# KiCad board video.kicad_pcb (continued)
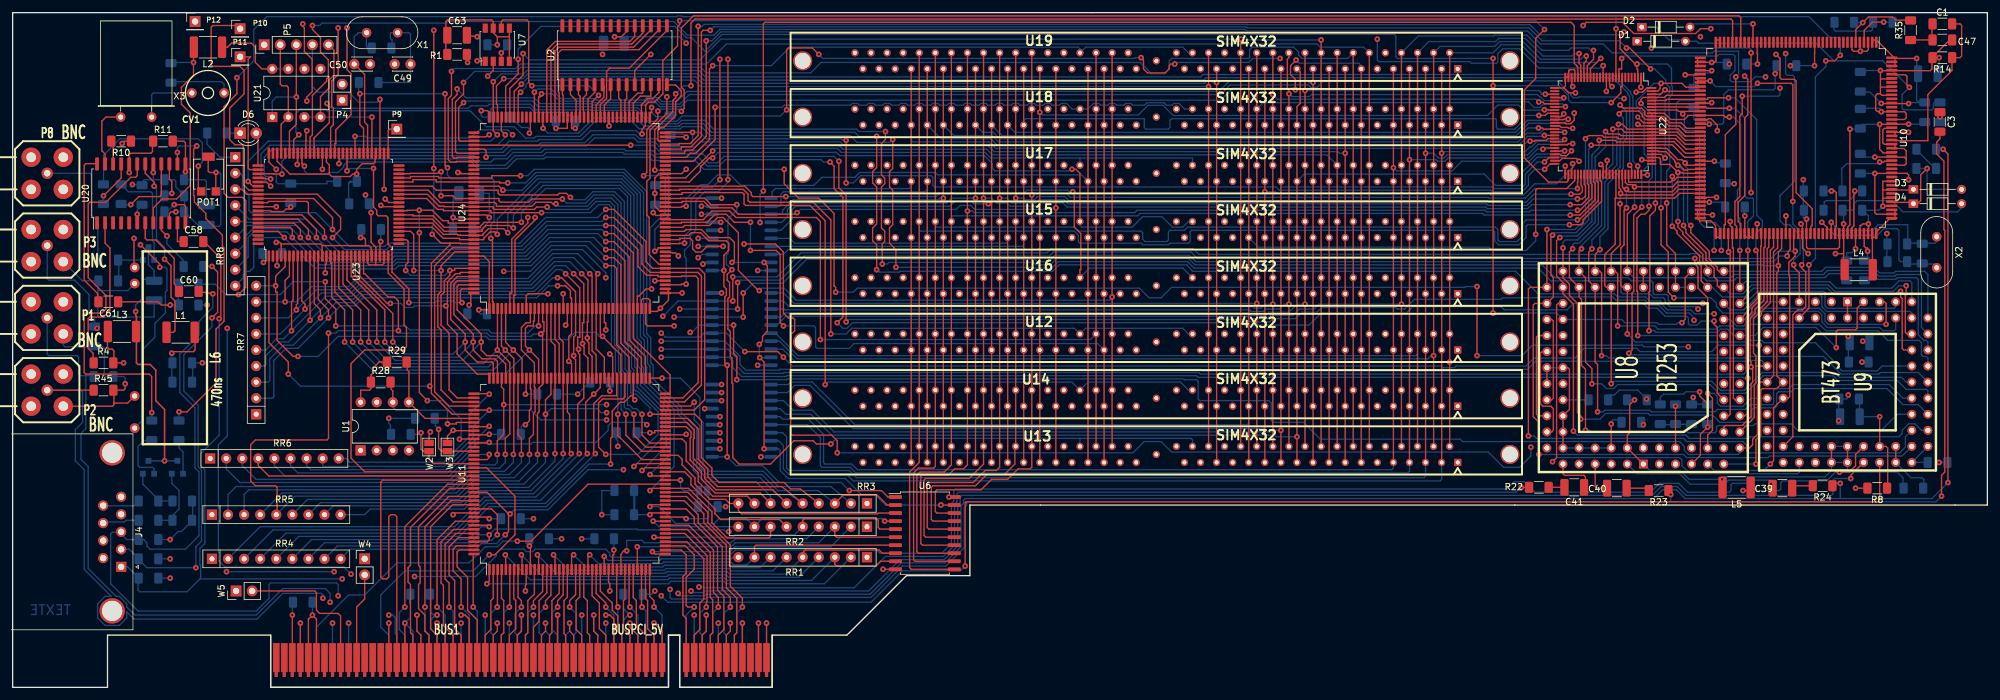
[diagram p0: board, top side]
## Routing (per net, layer and track width the routed paths; a pad name or vN(x,y) marks a point on that pad's centre or on a via; arc(x,y) is an arc through that point) (continued)
  top_copper w0.2: 248.34,81.03 248.34,79.5 248.54,79.3 248.54,77.72 248.03,77.22 v1(247.27,77.22) ; U19.54 U18.54 v1(155.96,77.34) U15.54 U16.54 U12.54 U14.54 U13.54 155.96,34.8 155.45,34.29 153.67,34.29 151.77,32.38 144.78,32.38 144.53,32.13 144.53,25.27 144.78,25.02 148.97,25.02
  bottom_copper w0.2: v1(155.96,77.34) 157.1,77.34 157.86,76.58 161.67,76.58 162.18,77.09 166.12,77.09 166.75,76.45 232.92,76.45 233.17,76.2 239.27,76.2 240.28,77.22 v1(247.27,77.22)
/TVRAM27: length 190.4
  top_copper w0.2: U19.56 U18.56 v1(153.42,77.34) U15.56 U16.56 U12.56 U14.56 U13.56 153.42,35.31 151.13,33.02 144.27,33.02 144.02,32.77 144.02,24 144.27,23.75 148.97,23.75 ; v1(246.13,76.33) 247.9,76.33 249.05,77.47 249.05,79.43 248.84,79.63 248.84,81.03
  bottom_copper w0.2: v1(246.13,76.33) 240.03,76.33 239.39,75.69 233.05,75.69 232.79,75.95 166.62,75.95 165.99,76.58 162.43,76.58 161.93,76.07 157.61,76.07 157.1,76.58 155.45,76.58 154.69,77.34 v1(153.42,77.34)
/TVRAM28: length 193.2
  top_copper w0.2: 148.97,22.48 143.76,22.48 143.51,22.73 143.51,33.4 143.64,33.53 147.83,33.53 148.84,34.54 150.24,34.54 150.88,35.18 U13.58 U14.58 U12.58 U16.58 U15.58 v1(150.88,75.31) U18.58 U19.58 ; 249.33,81.03 249.33,79.76 249.56,79.53 249.56,77.34 247.65,75.44 v1(247.27,75.44)
  bottom_copper w0.2: v1(150.88,75.31) 151.64,75.31 151.89,75.06 177.29,75.06 177.67,75.44 232.66,75.44 232.92,75.18 239.65,75.18 239.9,75.44 v1(247.27,75.44)
/TVRAM29: length 197.3
  top_copper w0.2: U19.60 U18.60 U15.60 U16.60 U12.60 U14.60 U13.60 148.34,35.18 147.19,34.04 143.38,34.04 142.88,33.53 142.88,21.46 143.13,21.21 148.97,21.21 ; 249.83,81.03 249.83,79.88 250.06,79.65 250.06,77.09 247.65,74.68 v1(246.13,74.68)
  bottom_copper w0.2: v1(246.13,74.68) 232.54,74.68 232.28,74.93 178.18,74.93 177.8,74.55 148.59,74.55 148.34,74.29 U15.60
/TVRAM30: length 208.4
  top_copper w0.2: U19.62 U18.62 U15.62 U16.62 U12.62 U14.62 U13.62 145.8,34.92 145.54,34.67 143.13,34.67 142.37,33.91 142.37,20.19 142.62,19.94 148.97,19.94 ; 250.34,81.03 250.34,80.01 250.57,79.78 250.57,76.96 247.52,73.91 v1(247.27,73.91)
  bottom_copper w0.2: U15.62 145.8,73.02 146.05,72.77 167.77,72.77 168.4,72.14 178.31,72.14 178.56,71.88 178.56,70.87 178.94,70.48 182.37,70.48 182.63,70.74 182.63,72.01 182.88,72.26 185.17,72.26 185.67,72.77 234.31,72.77 234.7,72.39 234.7,70.74 234.95,70.48 237.74,70.48 238.63,71.37 238.63,73.41 239.14,73.91 v1(247.27,73.91)
/TVRAM31: length 212.1
  top_copper w0.2: 148.97,18.67 141.99,18.67 141.73,18.92 141.73,34.04 143.26,35.56 U13.64 U14.64 U12.64 U16.64 U15.64 U18.64 U19.64 ; 250.85,81.03 250.85,80.14 251.08,79.91 251.08,76.83 248.16,73.91 248.16,73.41 247.9,73.15 v1(246,73.15)
  bottom_copper w0.2: v1(246,73.15) 239.39,73.15 239.14,72.9 239.14,71.12 238,69.98 234.82,69.98 234.19,70.61 234.19,72.01 233.93,72.26 186.31,72.26 186.06,72.01 186.06,70.48 185.8,70.23 182.88,70.23 182.63,69.98 178.56,69.98 178.31,70.23 168.66,70.23 168.4,70.48 168.4,71.5 167.77,72.14 143.51,72.14 143.26,72.39 U15.64
/VD_PAL-: length 227.8
  top_copper w0.2: v1(101.95,91.1) 101.95,89.92 100.2,88.18 100.2,81.41 v1(99.69,80.9) ; 273.08,102.36 273.08,105.89 272.8,106.17 107.57,106.17 105.66,104.27 105.66,94.89 106.11,94.45 106.11,91.52 v1(105.66,91.07) ; v1(100.97,62.99) 100.08,62.99 98.93,61.85 98.7,61.85 98.7,59.44
  bottom_copper w0.2: v1(101.95,91.1) 102.26,91.42 105.32,91.42 v1(105.66,91.07) ; v1(100.97,62.99) 100.71,63.25 100.71,72.64 103.12,75.06 103.12,80.39 102.62,80.9 v1(99.69,80.9)
/WRAM-: length 125.5
  top_copper w0.2: 164.85,35.56 U14.47 U16.47 U15.47 v1(164.85,75.82) U17.47 U18.47 U19.47 ; 103.58,76.66 105.79,76.66 105.79,76.83 109.22,76.83 110.24,75.82 113.66,75.82 114.68,74.8 123.7,74.8 v1(123.95,75.06)
  bottom_copper w0.2: v1(123.95,75.06) 124.46,75.56 149.1,75.56 149.73,76.2 151.38,76.2 152.02,75.56 163.83,75.56 164.08,75.82 v1(164.85,75.82)
/WRCAD-: length 270.8
  top_copper w0.2: v1(137.41,66.93) 137.41,70.1 137.8,70.48 137.8,72.14 137.29,72.64 137.29,79.12 137.8,79.63 137.8,80.52 137.29,81.03 137.29,85.98 137.92,86.61 v1(137.92,87.88) ; 47.65,84.33 47.65,85.47 47.62,85.47 47.62,86.87 50.04,89.28 50.04,91.68 49.67,92.05 v1(49.67,92.33)
  VCC_layer w0.2: U8.24 271.91,52.07 268.73,52.07 267.33,53.47 267.33,60.45 v1(267.08,60.71)
  bottom_copper w0.2: v1(137.92,87.88) 133.73,87.88 133.35,88.26 110.74,88.26 109.35,89.66 105.69,89.66 105.13,89.1 104.74,89.1 102.7,89.1 102.7,89.1 100.74,89.1 98.59,91.24 91.37,91.24 91.3,91.31 82.68,91.31 81.79,92.2 75.31,92.2 75.06,91.95 72.39,91.95 72.01,91.57 50.44,91.57 v1(49.67,92.33) ; v1(137.41,66.93) 138.18,66.93 138.43,67.18 161.29,67.18 161.67,66.8 163.96,66.8 164.97,67.82 185.8,67.82 186.82,66.8 241.68,66.8 243.71,64.77 255.27,64.77 255.78,64.26 258.95,64.26 259.21,64.01 259.21,62.36 259.46,62.1 261.37,62.1 261.62,61.85 261.62,61.21 262.13,60.71 v1(267.08,60.71)
/WRCDA-: length 280.3
  top_copper w0.2: v1(130.56,83.18) 130.56,78.99 131.7,77.85 v1(131.7,57.78) ; v1(44.96,82.68) 44.96,82.93 45.03,82.93 45.03,84.33
  VCC_layer w0.2: v1(265.68,58.04) 265.68,57.28 265.94,57.02 265.94,52.58 267.72,50.8 268.61,50.8 268.86,50.55 268.86,48.01 269.88,46.99 274.19,46.99 276.48,44.7 278.26,44.7 U9.23
  bottom_copper w0.2: v1(131.7,57.78) 132.08,58.17 194.69,58.17 195.07,57.78 198.63,57.78 199.14,58.29 202.69,58.29 203.71,59.31 206.12,59.31 206.88,60.07 218.57,60.07 218.82,59.82 219.96,59.82 221.49,61.34 235.2,61.34 235.46,61.59 241.05,61.59 241.17,61.72 252.86,61.72 253.37,61.21 257.94,61.21 258.7,60.45 260.1,60.45 261.37,59.18 264.92,59.18 265.68,58.42 v1(265.68,58.04) ; v1(44.96,82.68) 44.96,83.82 45.21,84.07 72.9,84.07 73.91,83.06 75.56,83.06 76.07,83.57 78.11,83.57 79.12,84.58 83.57,84.58 84.07,85.09 96.65,85.09 96.9,84.84 101.22,84.84 101.73,84.33 109.09,84.33 109.73,83.69 109.73,83.18 109.98,82.93 111.38,82.93 112.4,83.95 129.79,83.95 v1(130.56,83.18)
/WRFIFDO-: length 64.9
  top_copper w0.2: 86.36,59.44 86.36,55.24 87,54.61 v1(87,36.96)
  bottom_copper w0.2: RR5.8 50.67,28.7 71.12,28.7 73.53,31.11 81.91,31.11 87,36.19 v1(87,36.96)
/WRFULL: length 10.4
  top_copper w0.2: 86.36,49.35 86.36,54.36 85.7,55.02 85.7,59.44
/WRITE_RAM: length 81.1
  top_copper w0.2: v1(132.21,31.11) 137.29,31.11 138.3,30.1 139.32,30.1 ; 103.58,71.45 106.81,71.45 107.24,71.88 108.71,71.88 109.98,70.61 112.78,70.61 113.16,70.23 113.16,69.09 112.4,68.33 v1(112.4,65.91) 112.4,63.37 112.78,62.99 112.78,61.98 112.52,61.72 112.52,51.31 v1(112.9,50.93) v1(112.9,36.45)
  bottom_copper w0.2: 110.36,36.45 v1(112.9,36.45) 114.3,35.05 118.49,35.05 121.16,32.38 130.94,32.38 v1(132.21,31.11) ; v1(112.9,50.93) 110.36,50.93 ; v1(112.4,65.91) 110.36,65.91
/X_CLK: length 250.6
  top_copper w0.2: 38.86,79.25 37.95,79.25 v1(37.21,79.99) ; v1(76.58,87.38) 75.95,88.01 v1(75.95,95.76) ; v1(256.79,82.41) 256.83,82.37 U22.74
  bottom_copper w0.2: v1(75.95,95.76) 77.18,96.99 80.73,96.99 81.28,97.54 108.46,97.54 109.47,96.52 187.71,96.52 188.09,96.9 252.9,96.9 255.67,94.13 255.67,93.88 256.03,93.51 256.03,83.17 v1(256.79,82.41) ; v1(37.21,79.99) 37.21,83.18 40.39,86.36 75.56,86.36 v1(76.58,87.38)
/X_DATA: length 198.9
  top_copper w0.2: 76.61,90.63 76.61,92.1 76.45,92.25 76.45,95.1 v1(77.6,96.25) ; 255.83,81.03 255.83,82.25 v1(255.52,82.55)
  bottom_copper w0.2: v1(255.52,82.55) 255.52,93.46 255.27,93.71 255.27,93.96 252.84,96.39 188.59,96.39 188.21,96.01 109.22,96.01 108.2,97.03 81.41,97.03 80.62,96.25 v1(77.6,96.25)
/X_DONE: length 226.8
  top_copper w0.2: 243.59,82.78 242.95,82.78 v1(242.09,81.91) ; 38.86,81.2 41.15,81.2 41.27,81.15 v1(42.54,81.15) ; v1(131.7,86.49) v1(131.7,79.76) ; v1(107.44,87.76) 103.63,87.76 103.58,87.71
  bottom_copper w0.2: v1(42.54,81.15) 42.54,83.18 43.94,84.58 77.47,84.58 78.49,85.6 82.93,85.6 83.44,86.11 90.42,86.11 91.69,87.38 98.43,87.38 99.06,86.74 101.73,86.74 102.49,85.98 107.19,85.98 107.44,86.23 v1(107.44,87.76) 108.59,87.76 109.6,86.74 130.94,86.74 131.19,86.49 v1(131.7,86.49) ; v1(131.7,79.76) 132.84,79.76 133.99,80.9 145.16,80.9 145.41,80.64 145.41,79.38 145.67,79.12 199.64,79.12 200.15,78.61 233.55,78.61 233.81,78.36 238.51,78.36 239.52,79.38 239.52,80.9 240.54,81.91 v1(242.09,81.91)
/X_IRQ: length 72.1
  top_copper w0.2: v1(81.66,36.83) 81.66,39.37 82.3,40 82.3,43.31 82.55,43.56 82.55,47.37 82.45,47.47 82.45,51.28 80.39,53.34 80.39,56.9 81.15,57.66 81.81,57.66 81.81,59.44
  bottom_copper w0.2: RR5.4 42.54,30.73 70.1,30.73 72.52,33.15 79.25,33.15 81.66,35.56 v1(81.66,36.83)
/X_PROG-: length 257.1
  top_copper w0.2: 38.86,80.54 39.37,80.52 39.88,80.52 40.01,80.39 v1(40.77,80.39) ; v1(99.44,87.5) 99.44,88.23 99.97,88.76 99.97,90.08 100.04,90.15 100.04,91.99 99.97,92.06 100.45,92.54 101.44,92.54 102.74,93.84 102.74,99.1 105.07,101.43 105.07,104.45 105.4,104.78 v1(105.4,105.4) ; 245.85,81.03 245.87,81.03 245.87,80.39 245.78,80.3 245.78,80.08 245.58,79.88 242.7,79.88 238.89,83.69 238.89,94.49 240.67,96.27 240.67,102.62 v1(242.06,104.01)
  bottom_copper w0.2: v1(105.4,105.4) 240.67,105.4 v1(242.06,104.01) ; v1(99.44,87.5) 99.06,87.5 98.55,88.01 91.31,88.01 89.92,86.61 83.19,86.61 82.93,86.36 78.49,86.36 77.22,85.09 41.02,85.09 39.75,83.82 39.75,81.03 40.01,80.77 40.39,80.77 v1(40.77,80.39)
/Y_OUT: length 5.9
  bottom_copper w0.2: 19.94,29.46 19.18,28.7 14.35,28.7
Net-(BUS1-PRSNT1#): length 26.5
  top_copper w0.2: BUS1.B9 BUS1.B9 51.82,11.3 51.43,11.68 48.51,11.68 48.01,12.19 48.01,14.99 47.75,15.24 W5.2
Net-(BUS1-PRSNT2#): length 16.3
  top_copper w0.2: W4.2 55.63,13.97 54.36,12.7 BUS1.B11 BUS1.B11
Net-(BUS1-TDI): length 16.3
  top_copper w0.2: BUS1.A4 BUS1.A4 v1(45.47,10.16)
  bottom_copper w0.2: v1(45.47,10.16) BUS1.A4 BUS1.A4
Net-(C1-Pad1): length 6
  top_copper w0.2: 303.28,102.36 303.28,104.9 ; 303.33,102.36 299.96,102.36 299.91,102.31
Net-(C3-Pad1): length 1.8
  top_copper w0.2: v1(304.55,90.17) 304.55,91.06
  bottom_copper w0.2: 304.55,89.28 v1(304.55,90.17)
Net-(C4-Pad1): length 4.6
  bottom_copper w0.2: 304.04,82.04 303.78,82.04 300.74,85.09
Net-(C5-Pad2): length 2.8
  bottom_copper w0.2: 289.81,64.26 292.61,64.26
Net-(C8-Pad2): length 8.6
  bottom_copper w0.2: 287.78,105.16 287.78,104.01 288.04,103.76 293.62,103.76 293.88,104.01 293.88,105.16
Net-(C36-Pad2): length 5
  bottom_copper w0.2: 262.76,41.59 265.31,41.59 ; 260.35,41.53 262.76,41.53
Net-(C39-Pad2): length 3.3
  top_copper w0.2: 284.35,31.88 281.43,31.88 281.43,31.5
Net-(C40-Pad2): length 3.6
  top_copper w0.2: 258.44,31.11 258.44,31.5 255.27,31.5
Net-(C41-Pad2): length 2.2
  top_copper w0.2: 242.82,31.62 244.98,31.62
Net-(C46-Pad1): length 11.3
  top_copper w0.2: 28.83,56.13 28.83,53.34 28.57,53.09 25.4,53.09 v1(25.15,52.83)
  bottom_copper w0.2: 25.15,48.26 v1(25.15,52.83)
Net-(C49-Pad1): length 18.3
  bottom_copper w0.2: 59.94,101.09 59.94,102.36 59.69,102.62 59.69,103.42 59.77,103.5 X1.1 62.61,103.5 62.87,103.25 C49.1 62.87,95.63 57.91,95.63
Net-(C61-Pad1): length 13
  top_copper w0.2: 16.76,60.96 22.99,60.96 23.49,60.45 v1(24.89,60.45)
  bottom_copper w0.2: 26.16,63.75 26.16,60.51 26.22,60.45 v1(24.89,60.45)
Net-(CV1-Pad1): length 10
  bottom_copper w0.2: 28.32,93.98 22.23,93.98 21.97,93.73 X3.1
Net-(D6-A): length 2.1
  bottom_copper w0.2: 33.89,87.65 33.92,87.63 D6.1
Net-(L6-Pad1): length 22
  top_copper w0.2: R10.1 17.67,86.36 v1(17.31,85.99) ; v1(19.18,70.99) 19.18,66.49 L6.1
  VCC_layer w0.2: v1(17.31,85.99) 17.31,85.49 17.65,85.15 17.65,74.8 19.18,73.28 v1(19.18,70.99)
Net-(P4-P1): length 35.6
  top_copper w0.2: 56.08,68.33 56.08,67.06 56.34,66.8 57.38,66.8 ; 57.38,66.8 58.42,66.8 58.67,67.06 58.67,67.82 58.7,68.33 ; 57.38,66.8 57.38,68.33 57.4,68.71 57.4,69.6 56.64,70.36 v1(56.64,75.06)
  VCC_layer w0.2: v1(55.75,77.85) 55.75,92.58 55.5,92.84 P4.1
  bottom_copper w0.2: v1(55.75,77.85) 55.75,77.09 56.64,76.2 v1(56.64,75.06)
Net-(POT1-Pad1): length 29.6
  top_copper w0.2: POT1.1 29.8,78.58 29.34,79.04 v1(29.34,82.42)
  bottom_copper w0.2: v1(29.34,82.42) 29.97,83.06 29.97,86.11 29.34,86.74 16.95,86.74 14.35,84.14 14.35,79.63
Net-(Q1-B): length 5.5
  bottom_copper w0.2: 26.29,38.99 26.29,37.85 26.92,37.21 26.92,33.78
Net-(Q1-E): length 10.4
  bottom_copper w0.2: 23.11,26.42 25.27,26.42 25.27,27.18 26.29,28.19 26.29,31.11 25.15,32.26 25.15,33.78
Net-(Q2-B): length 9.1
  bottom_copper w0.2: 21.97,38.99 20.7,38.99 19.81,38.1 19.81,35.05 20.07,34.8 22.1,34.8 22.35,34.54 22.35,33.78
Net-(Q2-E): length 7.5
  bottom_copper w0.2: 20.57,33.78 20.57,32.13 23.24,29.46 ; 23.11,29.46 25.15,29.46
Net-(Q3-B): length 16.2
  bottom_copper w0.2: Q3.2 22.35,70.36 22.1,70.61 22.1,78.1 21.84,78.36 18.29,78.36 17.15,79.5
Net-(Q3-E): length 7.1
  bottom_copper w0.2: Q3.1 16.76,67.56 16.76,64.26
Net-(U1-SCL): length 18.9
  top_copper w0.2: 59.82,48.26 59.82,47.12 60.07,46.86 U1.6 ; v1(68.71,41.66) 70.1,41.66 70.1,41.88 72.39,41.88
  bottom_copper w0.2: v1(68.71,41.66) 68.71,43.69 68.58,43.81 60.58,43.81 60.07,44.32 U1.6
Net-(U1-SDA): length 17.3
  top_copper w0.2: 72.39,42.52 65.18,42.52 U1.5 62.61,49.91 62.36,50.16 62.36,51.43
Net-(U8-BIN): length 14.4
  top_copper w0.2: U8.68 243.2,45.47 243.46,45.72 243.46,57.91 243.2,58.17 U8.58
Net-(U8-BVID0): length 6.9
  top_copper w0.2: U8.75 244.98,33.78 245.24,33.53 248.29,33.53 248.54,33.27 248.54,31.62
Net-(U8-CEXT1): length 7
  top_copper w0.2: U8.6 v1(262.76,44.45)
  bottom_copper w0.2: 262.76,44.83 v1(262.76,44.45)
Net-(U8-CEXT2): length 21
  top_copper w0.2: U8.7 266.7,36.7 266.7,40 v1(267.84,41.15) 267.84,44.83 266.57,46.1 v1(266.57,46.74)
  bottom_copper w0.2: v1(266.57,46.74) 264.41,46.74 264.03,46.35 260.86,46.35 260.35,45.85 260.35,44.83 ; v1(267.84,41.15) 267.84,41.53
Net-(U8-GIN): length 15.7
  top_copper w0.2: U8.60 241.05,55.63 240.79,55.37 240.79,43.18 241.05,42.93 U8.70
Net-(U8-GVID0): length 5.3
  top_copper w0.2: U8.79 250.06,31.75 250.32,31.5 251.71,31.5
Net-(U8-RIN): length 16
  top_copper w0.2: U8.62 241.68,53.09 241.43,52.83 241.43,44.83 241.81,44.45 243.08,44.45 243.46,44.07 243.46,40.64 243.2,40.39 U8.72
Net-(U8-RSET): length 3.9
  bottom_copper w0.2: U8.69 248.92,45.47
Net-(U8-RVID0): length 25.4
  top_copper w0.2: v1(277.88,32.13) 277.88,31.5
  bottom_copper w0.2: U8.83 256.67,33.78 263.4,33.78 265.05,32.13 270.51,32.13 271.14,32.77 277.62,32.77 277.88,32.51 v1(277.88,32.13)
Net-(U9-COMP): length 9.5
  top_copper w0.2: U9.41 U9.42
  bottom_copper w0.2: 302.01,31.5 302.01,32.89 301.75,33.15 299.97,33.15 U9.41
Net-(U9-IREF): length 18.4
  top_copper w0.2: v1(295.02,42.8) U9.40 296.04,38.1 296.29,37.85 296.29,31.5
  bottom_copper w0.2: 291.85,45.59 291.85,42.8 v1(295.02,42.8)
Net-(U9-VREF): length 6
  bottom_copper w0.2: 302.51,35.56 U9.43 U9.44
Net-(U10-CLEVEL): length 16.1
  top_copper w0.2: 290.63,71.17 290.63,72.64 290.96,72.97 290.96,78.49 v1(291.08,78.49)
  bottom_copper w0.2: 292.35,78.49 v1(291.08,78.49) 291.08,77.85 290.19,76.96 286.51,76.96 286.26,76.71 286.26,75.44
Net-(U10-CREF+): length 36.4
  top_copper w0.2: 289.97,71.17 289.97,72.77 290.32,73.13 v1(290.32,88.26) ; v1(299.59,89.05) 297.43,89.05 297.18,89.03 v1(295.02,89.03) 295.02,85.09 295.53,84.58 295.53,84.51 297.43,84.51
  bottom_copper w0.2: 302.13,89.28 302.01,89.05 v1(299.59,89.05) ; v1(295.02,89.03) 292.23,89.03 291.97,88.77 291.97,88.26 v1(290.32,88.26)
Net-(U10-N/C): length 9.2
  top_copper w0.2: 288.01,71.17 288.01,72.9 288.16,72.9 288.16,78.23 287.91,78.49 v1(287.4,78.49)
  bottom_copper w0.2: v1(287.4,78.49) 286.26,78.49
Net-(U10-OUT_C): length 4.7
  top_copper w0.2: v1(291.21,69.34) 291.21,71.12 291.26,71.17
  bottom_copper w0.2: 289.81,67.56 289.81,68.71 290.58,68.71 v1(291.21,69.34)
Net-(U10-R/2): length 12.4
  top_copper w0.2: 297.43,83.18 295.78,83.18 295.66,83.06 v1(295.02,83.06)
  bottom_copper w0.2: v1(295.02,83.06) 294.77,82.8 289.81,82.8 289.05,82.04 289.05,78.49
Net-(U10-SYNC_DET): length 27.9
  top_copper w0.2: 297.43,86.44 302.64,86.44 302.64,93.73 306.45,97.54 306.45,99.57 307.72,99.57 307.98,99.82 307.98,104.65 307.72,104.9 306.58,104.9
Net-(U10-VIN_C): length 4.5
  top_copper w0.2: v1(293.12,68.96) 293.12,69.47 292.84,69.47 292.58,69.72 292.58,71.17
  bottom_copper w0.2: 292.61,67.56 293.12,67.56 v1(293.12,68.96)
Net-(U10-VIN_Y/COMP.): length 6.5
  top_copper w0.2: v1(295.66,105.18) 293.88,105.18 292.58,103.89 292.58,102.36
  bottom_copper w0.2: v1(295.66,105.18) 297.05,105.18
Net-(U10-XTAL1_IN): length 28.1
  top_copper w0.2: 286.72,71.17 286.72,72.77 286.64,72.77 v1(285.88,73.53)
  bottom_copper w0.2: v1(285.88,73.53) 287.91,71.5 294.64,71.5 295.66,72.52 297.81,72.52 298.07,72.26 298.07,67.56 298.32,67.31 299.47,67.31 299.47,66.93 303.66,66.93 303.91,66.67 303.91,66.17 304.04,66.17
Net-(U10-XTAL1_OUT): length 23.9
  top_copper w0.2: 287.38,71.17 v1(287.38,73.53)
  bottom_copper w0.2: X2.1 304.04,70.48 303.78,70.23 299.47,70.23 ; 299.47,70.23 299.47,73.15 294.79,73.15 294.39,72.75 293.9,72.24 288.67,72.24 v1(287.38,73.53) ; 299.47,70.23 299.47,70.1
Net-(U11-FLT#): length 13.8
  top_copper w0.2: v1(64.52,40.26) 64.52,37.68 64.86,37.34 W2.2 65.81,36.07 66.49,35.38 72.39,35.38
  bottom_copper w0.2: v1(64.52,40.26) 64.26,40 62.99,40
Net-(U11-MODE_16/32): length 8.9
  top_copper w0.2: 103.58,32.77 v1(105.54,32.77)
  bottom_copper w0.2: 108.2,28.57 108.2,30.61 108.46,30.86 108.46,31.11 106.05,31.11 105.54,31.62 v1(105.54,32.77)
Net-(U11-SNV): length 10.7
  top_copper w0.2: v1(67.31,40.79) 67.31,37.79 67.76,37.34 W3.2 72.87,37.34 U11.135
  bottom_copper w0.2: 66.8,42.54 66.8,41.3 v1(67.31,40.79)
Net-(U20-B): length 3.7
  top_copper w0.2: 26.92,70.48 26.04,70.48 26.04,73.28
Net-(U20-B/ADJ): length 7.8
  top_copper w0.2: 17.15,82.93 17.15,80.52 v1(14.35,77.72)
  bottom_copper w0.2: v1(14.35,77.72) 14.35,76.33
Net-(U20-CS): length 24.6
  top_copper w0.2: 13.34,82.8 11.56,82.8 11.3,82.55 11.3,64.39 13.46,62.23 13.46,60.96
Net-(U20-FLT): length 6.4
  top_copper w0.2: 24.76,82.93 24.76,80.39 25.15,80.01 v1(25.15,78.1)
  bottom_copper w0.2: 23.88,77.72 24.26,78.1 v1(25.15,78.1)
Net-(U20-G): length 8.2
  top_copper w0.2: v1(24.38,71.37) 23.49,72.26 23.49,73.28
  bottom_copper w0.2: v1(24.38,71.37) 24.38,70.1 26.92,67.56 26.92,66.55
Net-(U20-MCTR): length 25.3
  top_copper w0.2: 14.6,73.28 14.6,70.23 15.37,69.47 15.37,59.56 14.35,58.55 12.19,58.55 11.94,58.29 11.94,53.59 12.7,52.83 12.7,51.31
Net-(U20-NOTCH): length 30
  top_copper w0.2: v1(24,67.69) 25.02,66.67 25.02,61.72 25.65,61.09 25.65,56.39 25.4,56.13 24.26,56.13 ; v1(22.35,79.25) 22.35,79.88 20.96,81.28 20.96,82.93
  bottom_copper w0.2: v1(22.35,79.25) 22.73,78.87 22.73,70.87 24,69.6 v1(24,67.69)
Net-(U20-OSC): length 10.1
  top_copper w0.2: X3.2 14.73,90.17 14.1,89.53 14.1,84.84 14.6,84.33 14.6,82.93
Net-(U20-R): length 13.6
  top_copper w0.2: 20.96,73.28 20.96,70.99 21.21,70.74 22.61,70.74 25.53,67.82 25.53,63.88 26.25,62.59
Net-(U20-UOFF): length 3.2
  top_copper w0.2: v1(19.68,74.8) 19.68,73.28
  bottom_copper w0.2: v1(19.68,74.8) 19.68,75.44 20.45,76.2
Net-(U20-VCC): length 36.6
  top_copper w0.2: 28.57,101.22 v1(28.57,98.81) 28.57,96.77 26.67,94.87 26.67,92.2 28.07,90.8 28.07,79.38 25.91,77.22 23.62,77.22 22.23,75.82 22.23,73.28
  bottom_copper w0.2: 25.02,98.81 v1(28.57,98.81)
Net-(U20-VOFF): length 6.8
  top_copper w0.2: v1(25.53,76.33) 27.05,76.33 27.3,76.07 27.3,73.28
  bottom_copper w0.2: v1(25.53,76.33) 24.38,75.18 23.88,75.18
Net-(U20-VREF): length 14.9
  top_copper w0.2: 25.4,86.36 27.05,86.36 27.3,86.11 v1(27.3,81.53)
  bottom_copper w0.2: 27.18,80.26 30.35,80.26 30.61,80.01 30.61,76.45 ; v1(27.3,81.53) 27.3,80.26
Net-(U20-Y+SIN): length 54.9
  top_copper w0.2: v1(18.41,81.41) 18.41,84.2 18.67,84.45 21.84,84.45 22.1,84.71 22.1,86.36 ; v1(23.24,66.42) 23.24,66.93 v1(20.19,69.98)
  VCC_layer w0.2: v1(20.19,69.98) 20.19,71.12 20.57,71.5 20.57,75.31 19.56,76.33 19.56,77.47 19.3,77.72 18.41,77.72 18.16,77.98 18.16,80.39 18.41,80.64 v1(18.41,81.41)
  bottom_copper w0.2: L6.2 20.57,42.28 20.57,53.47 22.48,55.37 22.48,57.53 24.13,59.18 24.13,62.48 24.38,62.74 24.38,66.17 24.13,66.42 v1(23.24,66.42)
Net-(U20-Y+SOUT): length 3.5
  top_copper w0.2: 15.87,82.93 15.87,86.11 15.62,86.36
Net-(U23-P87): length 40.1
  top_copper w0.2: 38.86,78.61 37.34,78.61 36.45,79.5 36.45,85.6 36.26,85.79 35.12,85.79 34.29,86.61 34.29,91.57 36.58,93.85 36.58,97.54 35.94,98.17 31.62,98.17 31.37,98.42 31.37,104.39 31.62,104.65 35.94,104.65 P10.1
Net-(U23-PGCK4): length 21.1
  top_copper w0.2: P11.1 37.59,99.69 37.21,99.31 37.21,82.12 37.46,81.86 38.86,81.86
Net-(U23-SGCK3): length 5.2
  top_copper w0.2: P9.1 59.59,88.26 59.33,88.01 59.33,84.33
unconnected-(BUS1-3.3VAUX): length 2.7
  bottom_copper w0.2: BUS1.A14 BUS1.A14
unconnected-(BUS1--12V): length 2.7
  top_copper w0.2: BUS1.B1 BUS1.B1
unconnected-(BUS1-ACK64#): length 2.7
  top_copper w0.2: BUS1.B60 BUS1.B60
unconnected-(BUS1-INTB#): length 2.7
  top_copper w0.2: BUS1.B7 BUS1.B7
unconnected-(BUS1-INTC#): length 2.7
  bottom_copper w0.2: BUS1.A7 BUS1.A7
unconnected-(BUS1-INTD#): length 2.7
  top_copper w0.2: BUS1.B8 BUS1.B8
unconnected-(BUS1-PME#): length 2.7
  bottom_copper w0.2: BUS1.A19 BUS1.A19
unconnected-(BUS1-REQ64#): length 2.7
  bottom_copper w0.2: BUS1.A60 BUS1.A60
unconnected-(BUS1-RESERVED): length 2.7
  bottom_copper w0.2: BUS1.A9 BUS1.A9
unconnected-(BUS1-RESERVED)_2: length 2.7
  top_copper w0.2: BUS1.B14 BUS1.B14
unconnected-(BUS1-RESERVED)_4: length 2.7
  top_copper w0.2: BUS1.B10 BUS1.B10
unconnected-(BUS1-RESERVED)_5: length 2.7
  bottom_copper w0.2: BUS1.A11 BUS1.A11
unconnected-(BUS1-RESERVED)_8: length 2.7
  bottom_copper w0.2: BUS1.A40 BUS1.A40
unconnected-(BUS1-RESERVED)_9: length 2.7
  bottom_copper w0.2: BUS1.A41 BUS1.A41
unconnected-(BUS1-TCK): length 2.7
  top_copper w0.2: BUS1.B2 BUS1.B2
unconnected-(BUS1-TMS): length 2.7
  bottom_copper w0.2: BUS1.A3 BUS1.A3
unconnected-(BUS1-TRST#): length 2.7
  bottom_copper w0.2: BUS1.A1 BUS1.A1

## Copper pours and planes (outline as drawn; the poured copper is in the pictures)
+5V on VCC_layer: 132.08,8.89 141.22,17.65 151.26,17.65 151.26,28.7 310.64,28.83 310.64,106.68 37.72,106.68 37.72,89.79 27.61,89.79 26.16,88.35 26.16,87.12 0.1,87.12 0,9.4
GND on GND_layer: 1.41,105.99 311.41,106.29 311.41,29.19 150.91,29.19 150.91,18.19 141.41,18.19 131.91,8.69 41.41,8.19 41.41,8.69 1.41,9.19

## Text on the board
bottom_copper: TEXTE
